# KiCad board SmallDSPMicro.kicad_pcb
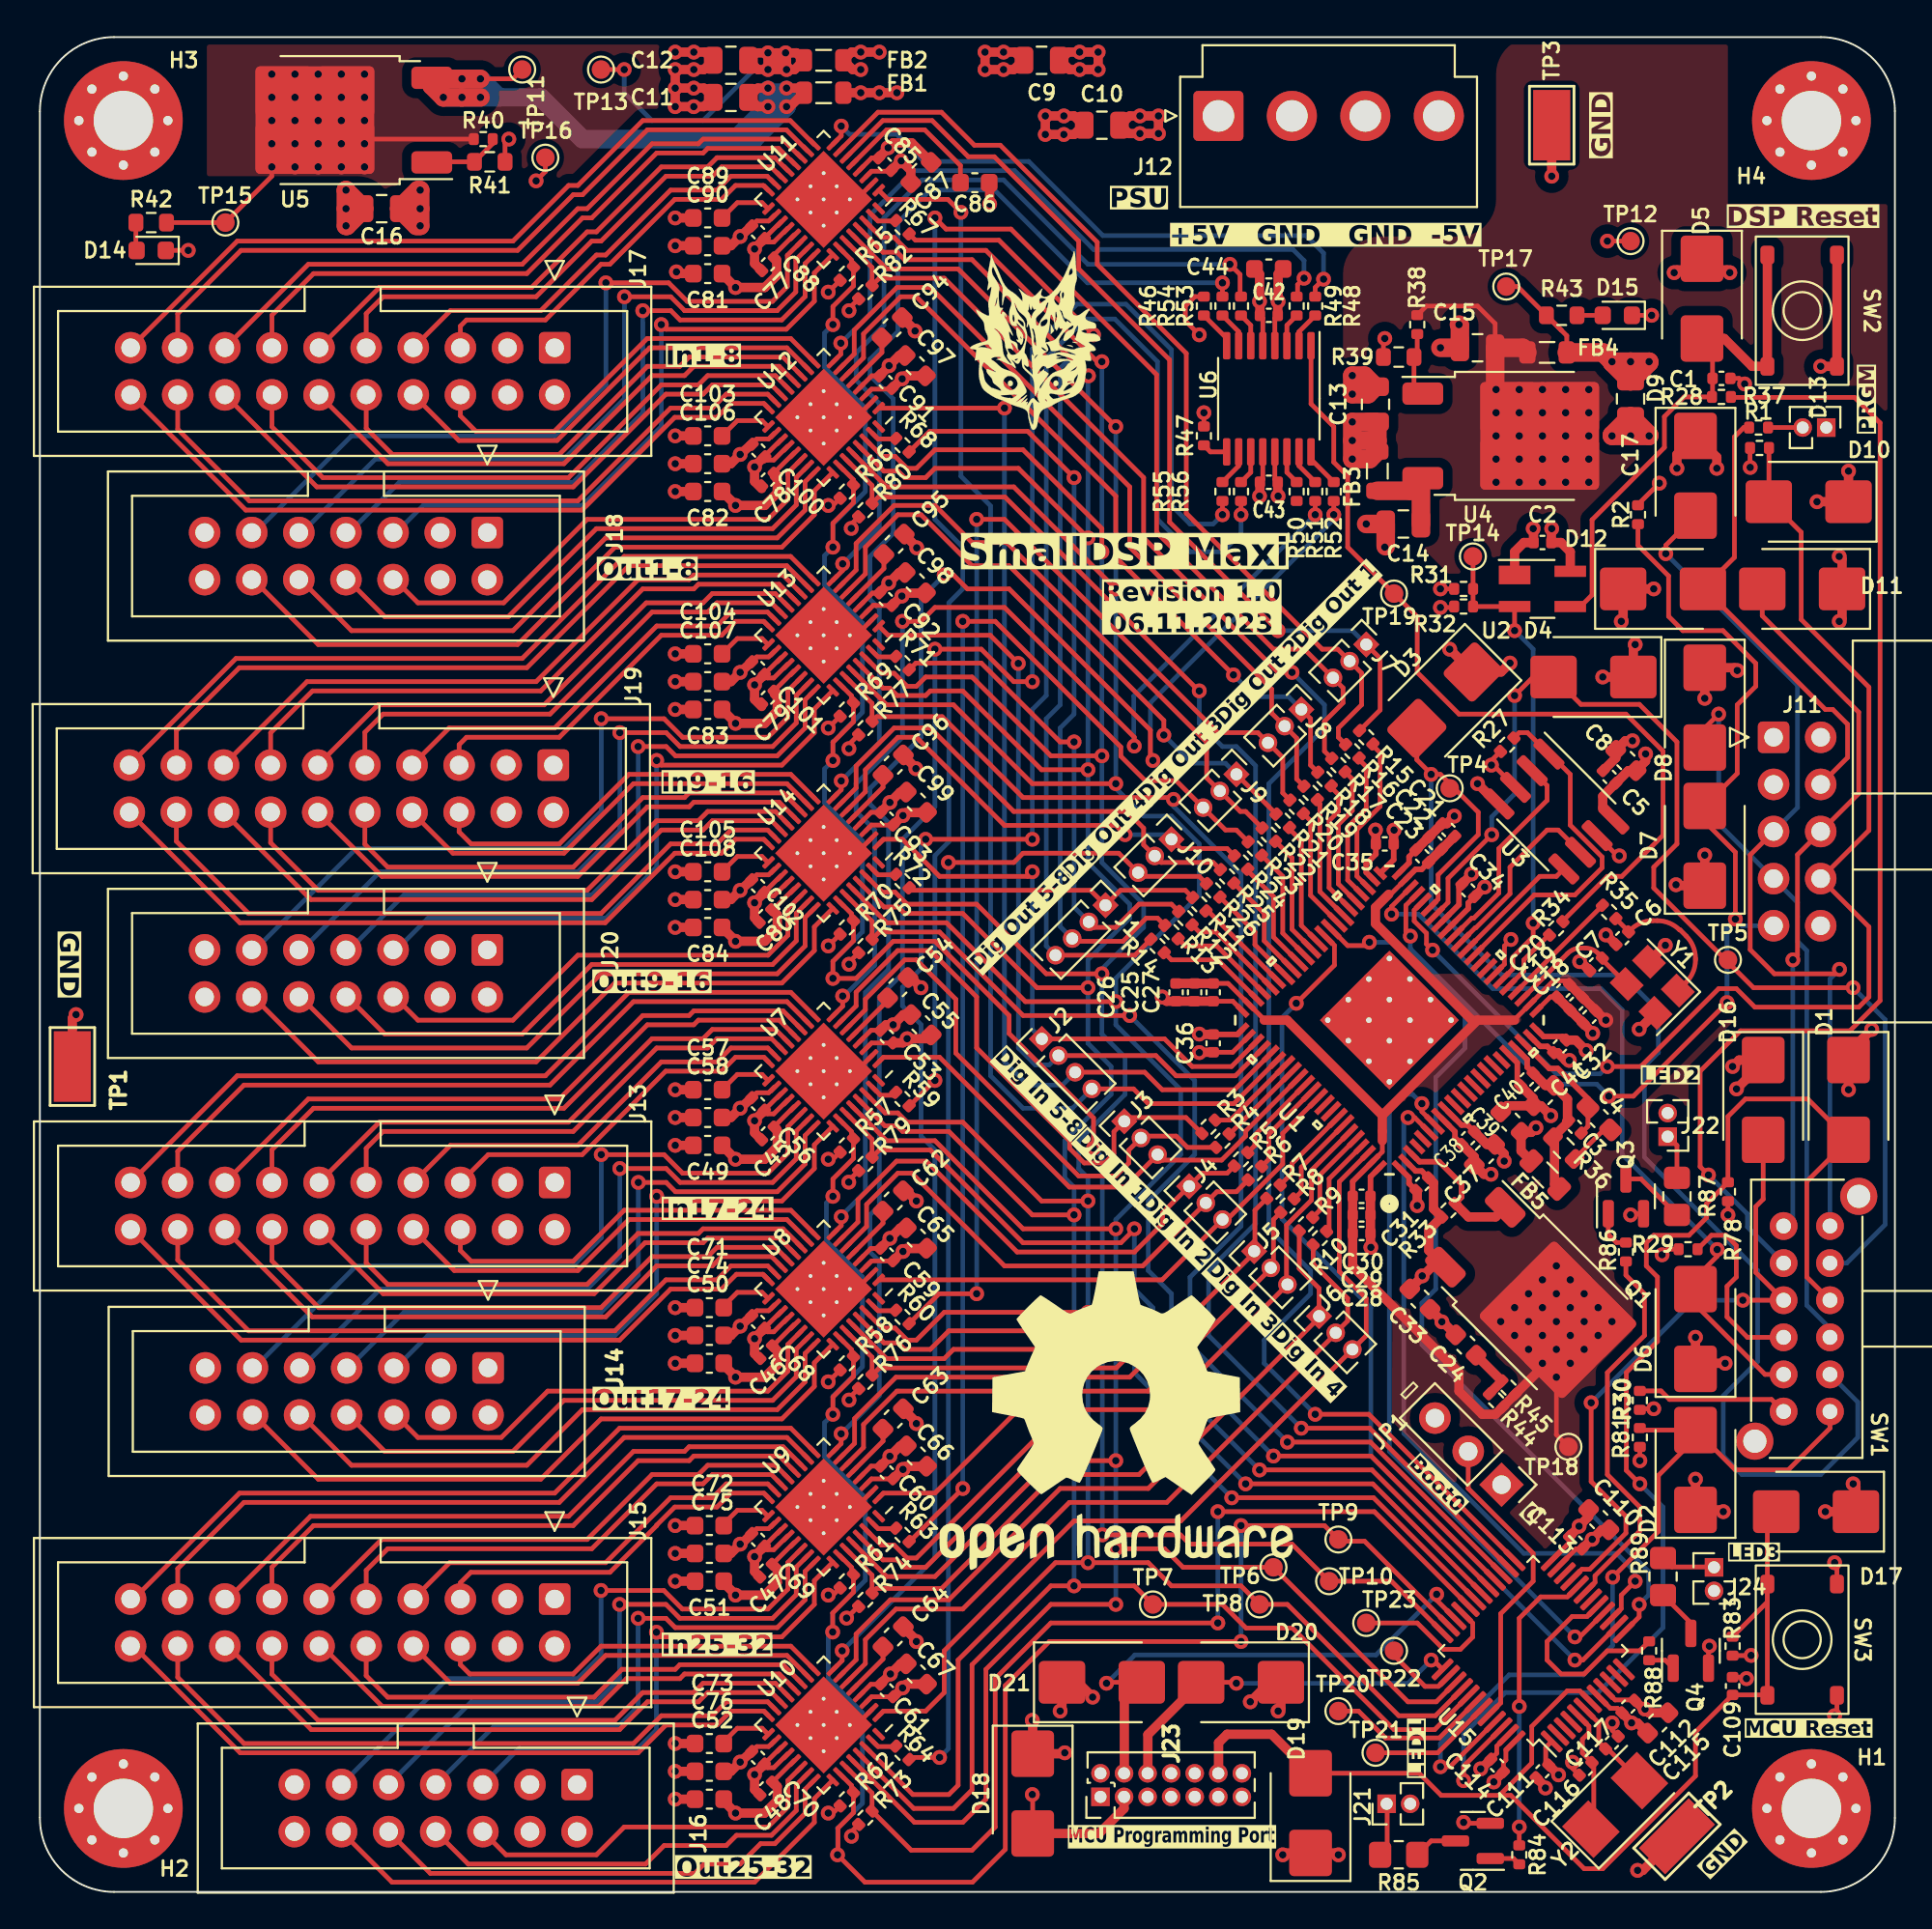
[diagram p0: board, top side]
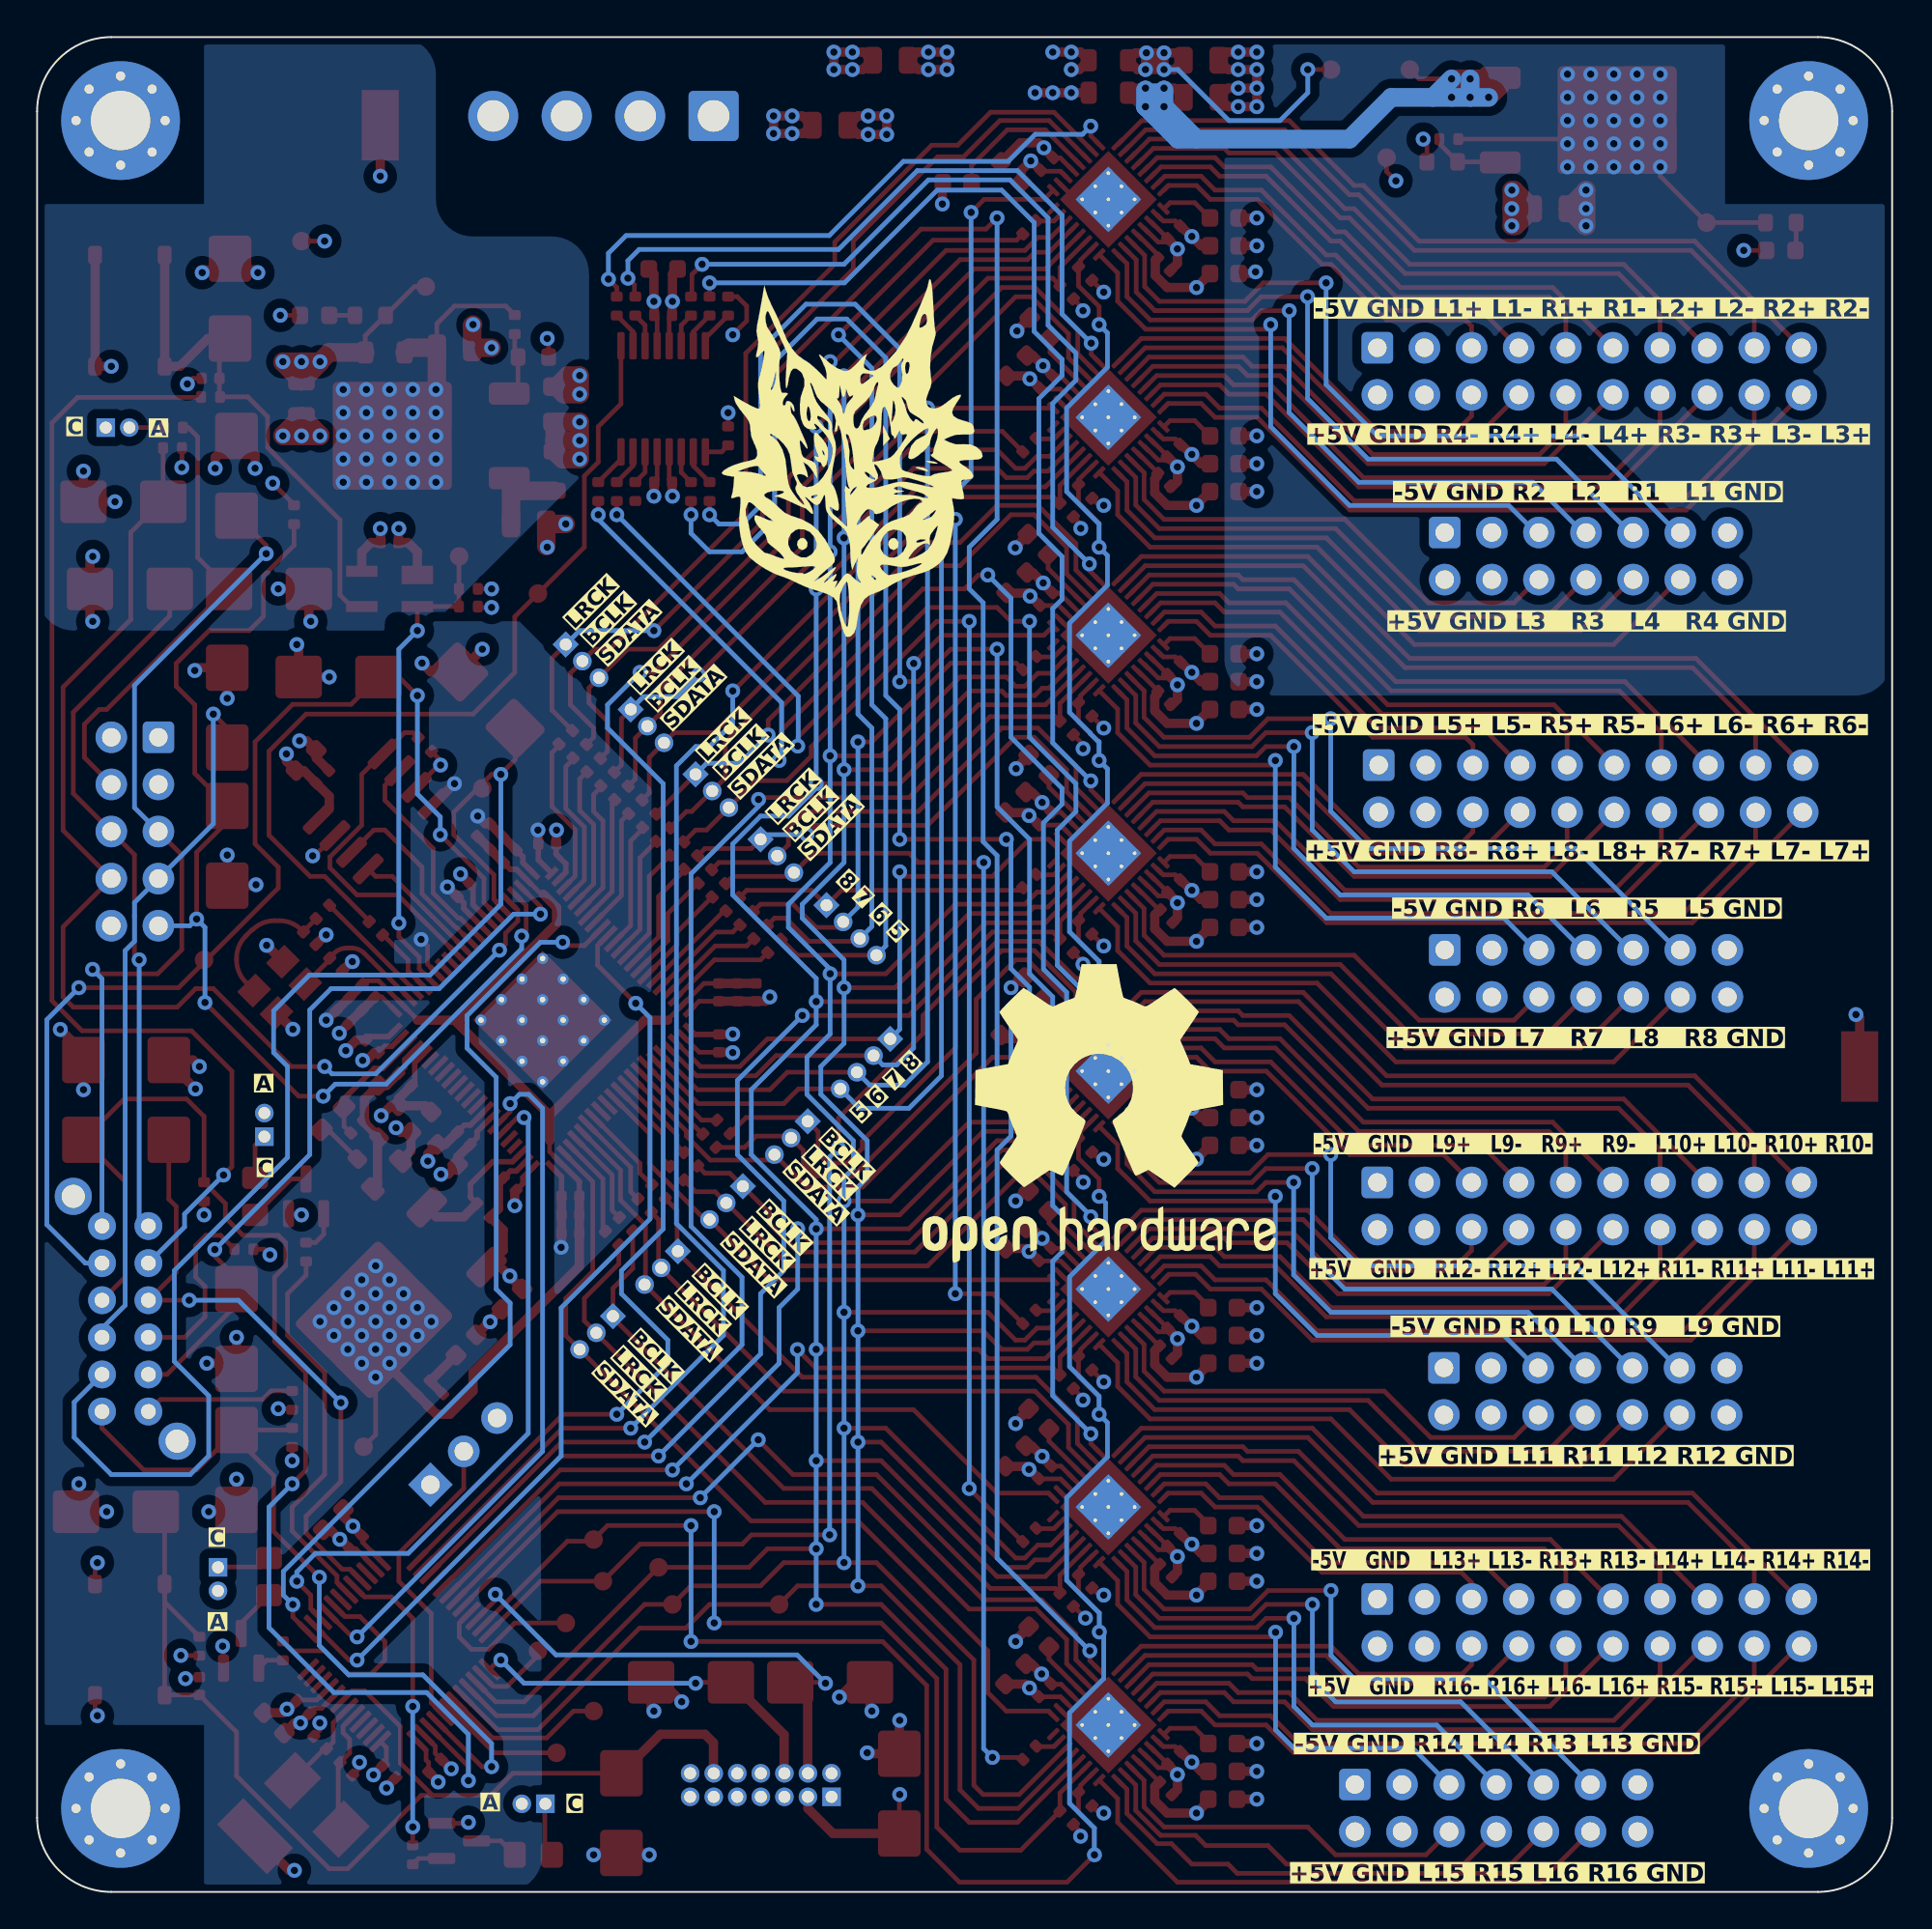
[diagram p1: board, bottom side, seen from below]

Outline 100 x 100 mm; copper layers: Top, In1.Cu, In2.Cu, Bottom. Coordinates in mm from the lower left corner of the outline.
Outline path: 0,96 arc(1.17,98.83) 4,100 96,100 arc(98.83,98.83) 100,96 100,4 arc(98.83,1.17) 96,0 4,0 arc(1.17,1.17) 0,4 0,96
Stack: Top 0.035mm / dielectric 0.1mm FR4 er 4.5 / In1.Cu 0.035mm / dielectric 1.24mm FR4 er 4.5 / In2.Cu 0.035mm / dielectric 0.1mm FR4 er 4.5 / Bottom 0.035mm

## Placement (name value [footprint] x y rotation side)
C1  100n  [C_0402_1005Metric]  90.65 81.6 0 top
C2  100n  [C_0402_1005Metric]  81 72.75 180 top
C3  150p  [C_0402_1005Metric]  82.75 41.25 315 top
C4  5n6  [C_0603_1608Metric_Pad1.08x0.95mm_HandSolder]  84.06 41.7 315 top
C5  100n  [C_0402_1005Metric]  84.62 60.12 135 top
C6  27p  [C_0402_1005Metric]  85.3 51.42 225 top
C7  27p  [C_0402_1005Metric]  83.89 50.01 225 top
C8  10u  [C_0603_1608Metric]  85.5 61 135 top
C9  1u  [C_0805_2012Metric]  54 98.75 0 top
C10  1u  [C_0805_2012Metric]  57.25 95.25 0 top
C11  1u  [C_0805_2012Metric]  37.25 96.75 180 top
C12  1u  [C_0805_2012Metric]  37.25 98.75 180 top
C13  1u  [C_0805_2012Metric]  72 80.2 90 top
C14  1u  [C_0805_2012Metric]  73.5 73.75 180 top
C15  1u  [C_0805_2012Metric]  77.5 83.25 180 top
C16  1u  [C_0805_2012Metric]  18.42 90.75 0 top
C17  1u  [C_0805_2012Metric]  85.75 80.5 270 top
C18  1u  [C_0402_1005Metric]  83.53 47.18 225 top
C19  100n  [C_0402_1005Metric]  82.83 47.88 225 top
C20  10n  [C_0402_1005Metric]  82.12 48.59 225 top
C21  1u  [C_0402_1005Metric]  75.93 57.25 135 top
C22  100n  [C_0402_1005Metric]  75.22 56.55 135 top
C23  10n  [C_0402_1005Metric]  74.52 55.84 135 top
C24  10u  [C_0603_1608Metric]  76.87 29.48 135 top
C25  1u  [C_0402_1005Metric]  61.25 48.5 270 top
C26  100n  [C_0402_1005Metric]  62.25 48.5 270 top
C27  10n  [C_0402_1005Metric]  63.25 48.5 270 top
C28  1u  [C_0402_1005Metric]  71.25 35.5 0 top
C29  100n  [C_0402_1005Metric]  71.25 36.5 0 top
C30  10n  [C_0402_1005Metric]  71.25 37.5 0 top
C31  100n  [C_0402_1005Metric]  74.52 38.16 225 top
C32  100n  [C_0402_1005Metric]  81.94 45.59 225 top
C33  10u  [C_0603_1608Metric]  74.4 31.96 315 top
C34  100n  [C_0402_1005Metric]  77 54 315 top
C35  100n  [C_0402_1005Metric]  72.5 56.5 0 top
C36  100n  [C_0402_1005Metric]  63.25 45.75 90 top
C37  10u  [C_0603_1608Metric]  77.88 39.75 225 top
C38  100n  [C_0402_1005Metric]  76.99 40.64 225 top
C39  10u  [C_0603_1608Metric]  79.3 41.5 135 top
C40  100n  [C_0402_1005Metric]  80.16 43.8 225 top
C41  10u  [C_0603_1608Metric]  81.06 42.93 225 top
C42  100n  [C_0402_1005Metric]  66.25 85 180 top
C43  100n  [C_0402_1005Metric]  66.25 76 180 top
C44  10u  [C_0603_1608Metric]  66.25 87.5 180 top
C45  100n  [C_0402_1005Metric]  39.24 40.89 225 top
C46  100n  [C_0402_1005Metric]  39.15 29.1 225 top
C47  100n  [C_0402_1005Metric]  39.14 17.32 225 top
C48  100n  [C_0402_1005Metric]  39.15 5.58 225 top
C49  10u  [C_0603_1608Metric]  36 40.25 180 top
C50  10u  [C_0603_1608Metric]  36.09 28.5 180 top
C51  10u  [C_0603_1608Metric]  36.09 16.75 180 top
C52  10u  [C_0603_1608Metric]  36.09 5 180 top
C53  100n  [C_0402_1005Metric]  45.66 46.12 135 top
C54  4u7  [C_0603_1608Metric]  46.25 48.75 45 top
C55  10u  [C_0603_1608Metric]  47.5 46.75 135 top
C56  100n  [C_0402_1005Metric]  38.71 42.48 315 top
C57  4u7  [C_0603_1608Metric]  36 43.25 180 top
C58  10u  [C_0603_1608Metric]  36 41.75 180 top
C59  100n  [C_0402_1005Metric]  45.66 34.37 135 top
C60  100n  [C_0402_1005Metric]  45.66 22.62 135 top
C61  100n  [C_0402_1005Metric]  45.66 10.87 135 top
C62  4u7  [C_0603_1608Metric]  46 37.25 45 top
C63  4u7  [C_0603_1608Metric]  46 25.5 45 top
C64  4u7  [C_0603_1608Metric]  46 13.75 45 top
C65  10u  [C_0603_1608Metric]  47.25 35.25 135 top
C66  10u  [C_0603_1608Metric]  47.25 23.5 135 top
C67  10u  [C_0603_1608Metric]  47.25 11.75 135 top
C68  100n  [C_0402_1005Metric]  38.71 30.73 315 top
C69  100n  [C_0402_1005Metric]  38.71 18.98 315 top
C70  100n  [C_0402_1005Metric]  38.71 7.23 315 top
C71  4u7  [C_0603_1608Metric]  36.09 31.5 180 top
C72  4u7  [C_0603_1608Metric]  36.09 19.75 180 top
C73  4u7  [C_0603_1608Metric]  36.09 8 180 top
C74  10u  [C_0603_1608Metric]  36.09 30 180 top
C75  10u  [C_0603_1608Metric]  36.09 18.25 180 top
C76  10u  [C_0603_1608Metric]  36.09 6.5 180 top
C77  100n  [C_0402_1005Metric]  39.25 87.75 225 top
C78  100n  [C_0402_1005Metric]  39.24 76.14 225 top
C79  100n  [C_0402_1005Metric]  39.24 64.39 225 top
C80  100n  [C_0402_1005Metric]  39.11 52.61 225 top
C81  10u  [C_0603_1608Metric]  36 87.25 180 top
C82  10u  [C_0603_1608Metric]  36 75.5 180 top
C83  10u  [C_0603_1608Metric]  36 63.75 180 top
C84  10u  [C_0603_1608Metric]  36 52 180 top
C85  100n  [C_0402_1005Metric]  45.55 93.15 135 top
C86  4u7  [C_0603_1608Metric]  50.4 92.15 0 top
C87  10u  [C_0603_1608Metric]  47.5 92.7 45 top
C88  100n  [C_0402_1005Metric]  38.71 89.48 315 top
C89  4u7  [C_0603_1608Metric]  36 90.25 180 top
C90  10u  [C_0603_1608Metric]  36 88.75 180 top
C91  100n  [C_0402_1005Metric]  45.6 81.4 135 top
C92  100n  [C_0402_1005Metric]  45.6 69.7 135 top
C93  100n  [C_0402_1005Metric]  45.66 57.87 135 top
C94  4u7  [C_0603_1608Metric]  45.94 84.33 45 top
C95  4u7  [C_0603_1608Metric]  46.05 72.66 45 top
C96  4u7  [C_0603_1608Metric]  46 60.75 45 top
C97  10u  [C_0603_1608Metric]  47.19 82.28 135 top
C98  10u  [C_0603_1608Metric]  47.19 70.58 135 top
C99  10u  [C_0603_1608Metric]  47.25 58.75 135 top
C100  100n  [C_0402_1005Metric]  38.74 77.71 315 top
C101  100n  [C_0402_1005Metric]  38.71 65.98 315 top
C102  100n  [C_0402_1005Metric]  38.71 54.23 315 top
C103  4u7  [C_0603_1608Metric]  36 78.5 180 top
C104  4u7  [C_0603_1608Metric]  36 66.75 180 top
C105  4u7  [C_0603_1608Metric]  36 55 180 top
C106  10u  [C_0603_1608Metric]  36 77 180 top
C107  10u  [C_0603_1608Metric]  36 65.25 180 top
C108  10u  [C_0603_1608Metric]  36 53.5 180 top
C109  100n  [C_0402_1005Metric]  91.25 11.1 270 top
C110  10u  [C_0603_1608Metric]  84.04 20.07 315 top
C111  100n  [C_0402_1005Metric]  81 6.5 45 top
C112  100n  [C_0402_1005Metric]  85.63 9.99 45 top
C113  100n  [C_0402_1005Metric]  82.8 18.83 135 top
C114  100n  [C_0402_1005Metric]  78.56 6.81 315 top
C115  10u  [C_0603_1608Metric]  87.22 9.11 225 top
C116  33p  [C_0402_1005Metric]  83.33 6.64 225 top
C117  33p  [C_0402_1005Metric]  84.74 8.05 45 top
D1  P6SMB6.8CA  [D_SMB]  97.5 42.7 270 top
D2  P6SMB6.8CA  [D_SMB]  89.25 22.75 90 top
D3  P6SMB6.8CA  [D_SMB#2]  75.75 64.25 225 top
D4  P6SMB6.8CA  [D_SMB]  83.75 65.5 180 top
D5  P6SMB6.8CA  [D_SMB]  89.6 85.9 270 top
D6  P6SMB6.8CA  [D_SMB]  89.25 30.35 90 top
D7  P6SMB6.8CA  [D_SMB]  89.75 56.4 90 top
D8  P6SMB6.8CA  [D_SMB]  89.75 63.85 270 top
D9  P6SMB6.8CA  [D_SMB]  89.25 76.35 270 top
D10  P6SMB6.8CA  [D_SMB]  95.35 74.95 180 top
D11  P6SMB6.8CA  [D_SMB]  95 70.25 180 top
D12  P6SMB6.8CA  [D_SMB]  87.5 70.25 0 top
D13  LED  [PinHeader_1x02_P1.27mm_Vertical]  96.3 78.95 270 top
D14  LED  [LED_0603_1608Metric]  6 88.5 180 top
D15  LED  [LED_0603_1608Metric]  85.04 85 180 top
D16  P6SMB6.8CA  [D_SMB]  92.9 42.7 270 top
D17  P6SMB6.8CA  [D_SMB]  95.75 20.5 180 top
D18  P6SMB6.8CA  [D_SMB]  53.52 5.3 270 top
D19  P6SMB6.8CA  [D_SMB]  68.5 4.25 90 top
D20  P6SMB6.8CA  [D_SMB]  64.75 11.3 180 top
D21  P6SMB6.8CA  [D_SMB]  57.25 11.3 0 top
FB1  600R@100MHz  [L_0805_2012Metric]  42.25 97 180 top
FB2  600R@100MHz  [L_0805_2012Metric]  42.25 98.75 180 top
FB3  600R@100MHz  [L_0805_2012Metric]  72.1 76.6 270 top
FB4  600R@100MHz  [L_0805_2012Metric]  81.25 83 0 top
FB5  600R@100MHz  [L_0805_2012Metric]  81.15 38.65 315 top
G***  LOGO  [OpenHardware_600dpi]  58.02 25.44 0 top
G***#2  LOGO  [Strix_paint_600dpi]  53.69 83.62 0 top
G***#3  LOGO  [OpenHardware_600dpi]  42.75 42 180 bottom
G***#4  LOGO  [Strix_paint_300dpi]  56 77.25 180 bottom
H1  MountingHole  [MountingHole_3.2mm_M3_Pad_Via]  95.5 4.5 0 top
H2  MountingHole  [MountingHole_3.2mm_M3_Pad_Via]  4.5 4.5 0 top
H3  MountingHole  [MountingHole_3.2mm_M3_Pad_Via]  4.5 95.5 0 top
H4  MountingHole  [MountingHole_3.2mm_M3_Pad_Via]  95.5 95.5 0 top
J1  Header  [PinHeader_1x04_P1.27mm_Vertical]  57.45 53.2 315 top
J2  Header  [PinHeader_1x04_P1.27mm_Vertical]  54.01 45.99 45 top
J3  Header  [PinHeader_1x03_P1.27mm_Vertical]  58.46 41.55 45 top
J4  Header  [PinHeader_1x03_P1.27mm_Vertical]  61.95 38.05 45 top
J5  Header  [PinHeader_1x03_P1.27mm_Vertical]  65.46 34.54 45 top
J6  Header  [PinHeader_1x03_P1.27mm_Vertical]  68.96 31.04 45 top
J7  Header  [PinHeader_1x03_P1.27mm_Vertical]  71.5 67.25 315 top
J8  Header  [PinHeader_1x03_P1.27mm_Vertical]  68 63.75 315 top
J9  Header  [PinHeader_1x03_P1.27mm_Vertical]  64.5 60.25 315 top
J10  Header  [PinHeader_1x03_P1.27mm_Vertical]  61 56.75 315 top
J11  Programming  [IDC-Header_2x05_P2.54mm_Horizontal]  93.46 62.25 0 top
J12  B4P-VH  [JST_VH_B4P-VH_1x04_P3.96mm_Vertical]  63.53 95.75 0 top
J13  IDC  [IDC-Header_2x10_P2.54mm_Vertical]  27.75 38.25 270 top
J14  IDC  [IDC-Header_2x07_P2.54mm_Vertical]  24.16 28.25 270 top
J15  IDC  [IDC-Header_2x10_P2.54mm_Vertical]  27.75 15.79 270 top
J16  IDC  [IDC-Header_2x07_P2.54mm_Vertical]  28.96 5.79 270 top
J17  IDC  [IDC-Header_2x10_P2.54mm_Vertical]  27.75 83.25 270 top
J18  IDC  [IDC-Header_2x07_P2.54mm_Vertical]  24.12 73.29 270 top
J19  IDC  [IDC-Header_2x10_P2.54mm_Vertical]  27.68 60.75 270 top
J20  IDC  [IDC-Header_2x07_P2.54mm_Vertical]  24.12 50.79 270 top
J21  Header  [PinHeader_1x02_P1.27mm_Vertical]  72.6 4.75 90 top
J22  Header  [PinHeader_1x02_P1.27mm_Vertical]  87.75 40.72 180 top
J23  Header  [PinHeader_2x07_P1.27mm_Vertical]  57.18 5.12 90 top
J24  Header  [PinHeader_1x02_P1.27mm_Vertical]  90.25 17.5 0 top
JP1  Jumper  [PinHeader_1x03_P2.54mm_Vertical]  78.8 21.95 225 top
Q1  NSS1C300ET4G  [TO-252-2]  80.95 31.73 315 top
Q2  2N7002  [SOT-23]  77.25 2.75 180 top
Q3  2N7002  [SOT-23]  85.5 37.5 90 top
Q4  2N7002  [SOT-23]  89 13 90 top
R1  100k  [R_0402_1005Metric]  92.7 77.85 0 top
R2  10k  [R_0402_1005Metric]  86.15 74.25 270 top
R3  33R  [R_0402_1005Metric]  63 41.25 45 top
R4  33R  [R_0402_1005Metric]  63.75 40.5 45 top
R5  33R  [R_0402_1005Metric]  64.75 39.5 45 top
R6  33R  [R_0402_1005Metric]  65.5 38.75 45 top
R7  33R  [R_0402_1005Metric]  66.5 37.75 45 top
R8  33R  [R_0402_1005Metric]  67.25 37 45 top
R9  33R  [R_0402_1005Metric]  68.25 36 45 top
R10  33R  [R_0402_1005Metric]  69 35.25 45 top
R11  33R  [R_0402_1005Metric]  62.5 53.25 315 top
R12  33R  [R_0402_1005Metric]  61.75 52.5 315 top
R13  33R  [R_0402_1005Metric]  61 51.75 315 top
R14  33R  [R_0402_1005Metric]  60.25 51 315 top
R15  33R  [R_0402_1005Metric]  71.5 62.25 135 top
R16  33R  [R_0402_1005Metric]  70.75 61.5 135 top
R17  33R  [R_0402_1005Metric]  70 60.75 135 top
R18  33R  [R_0402_1005Metric]  69.25 60 135 top
R19  33R  [R_0402_1005Metric]  68.5 59.25 135 top
R20  33R  [R_0402_1005Metric]  67.75 58.5 135 top
R21  33R  [R_0402_1005Metric]  67 57.75 135 top
R22  33R  [R_0402_1005Metric]  66.25 57 135 top
R23  33R  [R_0402_1005Metric]  65.5 56.25 135 top
R24  33R  [R_0402_1005Metric]  64.75 55.5 135 top
R25  33R  [R_0402_1005Metric]  64 54.75 135 top
R26  33R  [R_0402_1005Metric]  63.25 54 135 top
R27  10k  [R_0402_1005Metric]  79.1 61.85 45 top
R28  1k  [R_0402_1005Metric]  90.65 80.6 0 top
R29  1k  [R_0402_1005Metric]  88.85 34.65 0 top
R30  1k  [R_0402_1005Metric]  86.25 26.5 90 top
R31  100k  [R_0402_1005Metric]  76.75 70.25 0 top
R32  10k  [R_0402_1005Metric]  76.75 69.3 0 top
R33  1k  [R_0402_1005Metric]  75.93 36.75 45 top
R34  33R  [R_0402_1005Metric]  81.74 51.95 45 top
R35  100R  [R_0402_1005Metric]  84.59 52.83 315 top
R36  4k3  [R_0603_1608Metric]  82.15 40.1 135 top
R37  1k  [R_0402_1005Metric]  92.65 78.95 0 top
R38  1k2  [R_0402_1005Metric]  74.25 84.5 270 top
R39  2k  [R_0603_1608Metric]  73.25 82.75 180 top
R40  1k2  [R_0402_1005Metric]  23.9 94.5 0 top
R41  2k  [R_0603_1608Metric]  24.25 93.28 0 top
R42  82R  [R_0603_1608Metric]  6 90 180 top
R43  82R  [R_0603_1608Metric]  82.04 85 0 top
R44  1R  [R_0402_1005Metric]  78.5 26.5 135 top
R45  1R  [R_0402_1005Metric]  79.17 27.19 135 top
R46  1k  [R_0402_1005Metric]  62.75 85.5 270 top
R47  1k  [R_0402_1005Metric]  62.75 78.5 270 top
R48  33R  [R_0402_1005Metric]  68.75 85.5 90 top
R49  33R  [R_0402_1005Metric]  67.75 85.5 90 top
R50  33R  [R_0402_1005Metric]  67.75 75.5 270 top
R51  33R  [R_0402_1005Metric]  68.75 75.5 270 top
R52  33R  [R_0402_1005Metric]  69.75 75.5 270 top
R53  33R  [R_0402_1005Metric]  64.75 85.5 90 top
R54  33R  [R_0402_1005Metric]  63.75 85.5 90 top
R55  33R  [R_0402_1005Metric]  63.75 75.5 270 top
R56  33R  [R_0402_1005Metric]  64.75 75.5 270 top
R57  100k  [R_0402_1005Metric]  43.5 40.25 225 top
R58  100k  [R_0402_1005Metric]  43.5 28.5 225 top
R59  33R  [R_0402_1005Metric]  46.5 42.75 315 top
R60  33R  [R_0402_1005Metric]  46.5 31 315 top
R61  100k  [R_0402_1005Metric]  43.5 16.75 225 top
R62  100k  [R_0402_1005Metric]  43.5 5 225 top
R63  33R  [R_0402_1005Metric]  46.5 19.25 315 top
R64  33R  [R_0402_1005Metric]  46.5 7.5 315 top
R65  100k  [R_0402_1005Metric]  43.5 87.25 225 top
R66  100k  [R_0402_1005Metric]  43.5 75.5 225 top
R67  33R  [R_0402_1005Metric]  46.5 89.75 315 top
R68  33R  [R_0402_1005Metric]  46.5 78 315 top
R69  100k  [R_0402_1005Metric]  43.5 63.75 225 top
R70  100k  [R_0402_1005Metric]  43.5 52 225 top
R71  33R  [R_0402_1005Metric]  46.5 66.25 315 top
R72  33R  [R_0402_1005Metric]  46.5 54.5 315 top
R73  10k  [R_0402_1005Metric]  44.5 4 45 top
R74  10k  [R_0402_1005Metric]  44.5 15.75 45 top
R75  10k  [R_0402_1005Metric]  44.5 51 45 top
R76  10k  [R_0402_1005Metric]  44.5 27.5 45 top
R77  10k  [R_0402_1005Metric]  44.5 62.75 45 top
R78  2k2  [R_0402_1005Metric]  91 37.75 90 top
R79  10k  [R_0402_1005Metric]  44.5 39.25 45 top
R80  10k  [R_0402_1005Metric]  44.5 74.5 45 top
R81  2k2  [R_0402_1005Metric]  86.25 24.5 90 top
R82  10k  [R_0402_1005Metric]  44.5 86.25 45 top
R83  10k  [R_0402_1005Metric]  91.25 13.25 90 top
R84  100k  [R_0402_1005Metric]  79.75 2 90 top
R85  TBD  [R_0805_2012Metric_Pad1.20x1.40mm_HandSolder]  73.25 2 0 top
R86  100k  [R_0402_1005Metric]  85.5 34.5 270 top
R87  TBD  [R_0805_2012Metric_Pad1.20x1.40mm_HandSolder]  88.25 37.5 270 top
R88  100k  [R_0402_1005Metric]  86.75 13 90 top
R89  TBD  [R_0805_2012Metric_Pad1.20x1.40mm_HandSolder]  87.5 17 270 top
SW1  SW_4PDT  [EG4208]  95.25 30.9 270 top
SW2  -  [TS-1187A-B-A-B]  95 85.25 270 top
SW3  -  [TS-1187A-B-A-B]  95 13.6 270 top
TP1  TestPoint  [TestPoint_Keystone_5019_Minature]  1.75 44.5 90 top
TP2  TestPoint  [TestPoint_Keystone_5019_Minature]  88.25 3 45 top
TP3  TestPoint  [TestPoint_Keystone_5019_Minature]  81.5 95.25 270 top
TP4  TestPoint  [TestPoint_Pad_D1.0mm]  76 59.5 0 top
TP5  TestPoint  [TestPoint_Pad_D1.0mm]  91 50.25 0 top
TP6  TestPoint  [TestPoint_Pad_D1.0mm]  66.5 17.5 0 top
TP7  TestPoint  [TestPoint_Pad_D1.0mm]  60 15.5 0 top
TP8  TestPoint  [TestPoint_Pad_D1.0mm]  65.75 15.5 0 top
TP9  TestPoint  [TestPoint_Pad_D1.0mm]  70 19 0 top
TP10  TestPoint  [TestPoint_Pad_D1.0mm]  69.5 16.75 0 top
TP11  TestPoint  [TestPoint_Pad_D1.0mm]  26 98.25 90 top
TP12  TestPoint  [TestPoint_Pad_D1.0mm]  85.75 89 0 top
TP13  TestPoint  [TestPoint_Pad_D1.0mm]  30.25 98.25 0 top
TP14  TestPoint  [TestPoint_Pad_D1.0mm]  77.25 72 0 top
TP15  TestPoint  [TestPoint_Pad_D1.0mm]  10 90 0 top
TP16  TestPoint  [TestPoint_Pad_D1.0mm]  27.25 93.5 0 top
TP17  TestPoint  [TestPoint_Pad_D1.0mm]  79.05 86.55 0 top
TP18  TestPoint  [TestPoint_Pad_D1.0mm]  82.4 24 0 top
TP19  TestPoint  [TestPoint_Pad_D1.0mm]  73 70 0 top
TP20  TestPoint  [TestPoint_Pad_D1.0mm]  70 9.75 0 top
TP21  TestPoint  [TestPoint_Pad_D1.0mm]  72 7.5 0 top
TP22  TestPoint  [TestPoint_Pad_D1.0mm]  73 13 0 top
TP23  TestPoint  [TestPoint_Pad_D1.0mm]  71.5 14.5 0 top
U1  ADAU1467  [ADAU1463]  72.75 47 135 top
U2  ADM811  [SOT-143_Handsoldering]  81 70.25 0 top
U3  M95M01-R  [SOIC-8_3.9x4.9mm_P1.27mm]  81.75 58.25 315 top
U4  LM317_TO-252  [TO-252-2]  79.59 78.5 0 top
U5  LM317_TO-252  [TO-252-2]  16.08 95.53 180 top
U6  PL123-09OC  [TSSOP-16_4.4x5mm_P0.65mm]  66.25 80.5 270 top
U7  AK4619  [QFN-32-1EP_5x5mm_P0.5mm_EP3.7x3.7mm_ThermalVias]  42.25 44.25 225 top
U8  AK4619  [QFN-32-1EP_5x5mm_P0.5mm_EP3.7x3.7mm_ThermalVias]  42.25 32.5 225 top
U9  AK4619  [QFN-32-1EP_5x5mm_P0.5mm_EP3.7x3.7mm_ThermalVias]  42.25 20.75 225 top
U10  AK4619  [QFN-32-1EP_5x5mm_P0.5mm_EP3.7x3.7mm_ThermalVias]  42.25 9 225 top
U11  AK4619  [QFN-32-1EP_5x5mm_P0.5mm_EP3.7x3.7mm_ThermalVias]  42.25 91.25 225 top
U12  AK4619  [QFN-32-1EP_5x5mm_P0.5mm_EP3.7x3.7mm_ThermalVias]  42.25 79.5 225 top
U13  AK4619  [QFN-32-1EP_5x5mm_P0.5mm_EP3.7x3.7mm_ThermalVias]  42.25 67.75 225 top
U14  AK4619  [QFN-32-1EP_5x5mm_P0.5mm_EP3.7x3.7mm_ThermalVias]  42.25 56 225 top
U15  STM32F030C8Tx  [LQFP-48_7x7mm_P0.5mm]  80.5 13 135 top
Y1  830105957509  [Crystal_SMD_3225-4Pin_3.2x2.5mm]  86.92 48.77 135 top
Y2  8MHz  [Crystal_SMD_5032-2Pin_5.0x3.2mm]  84.92 4.69 45 top
